# Altium PCB Bad-Fox Prototype.PcbDoc (part 4 of 6)
Units mm, origin at the board's own origin, x right, y up, seen from the top; angles counter-clockwise.
Board outline 285 x 218 mm, 4 copper layers (Top Layer, Layer 1, Layer 2, Bottom Layer), stack 1.583 mm thick; 201 components, 119 nets, 7816 pads, 1897 vias.
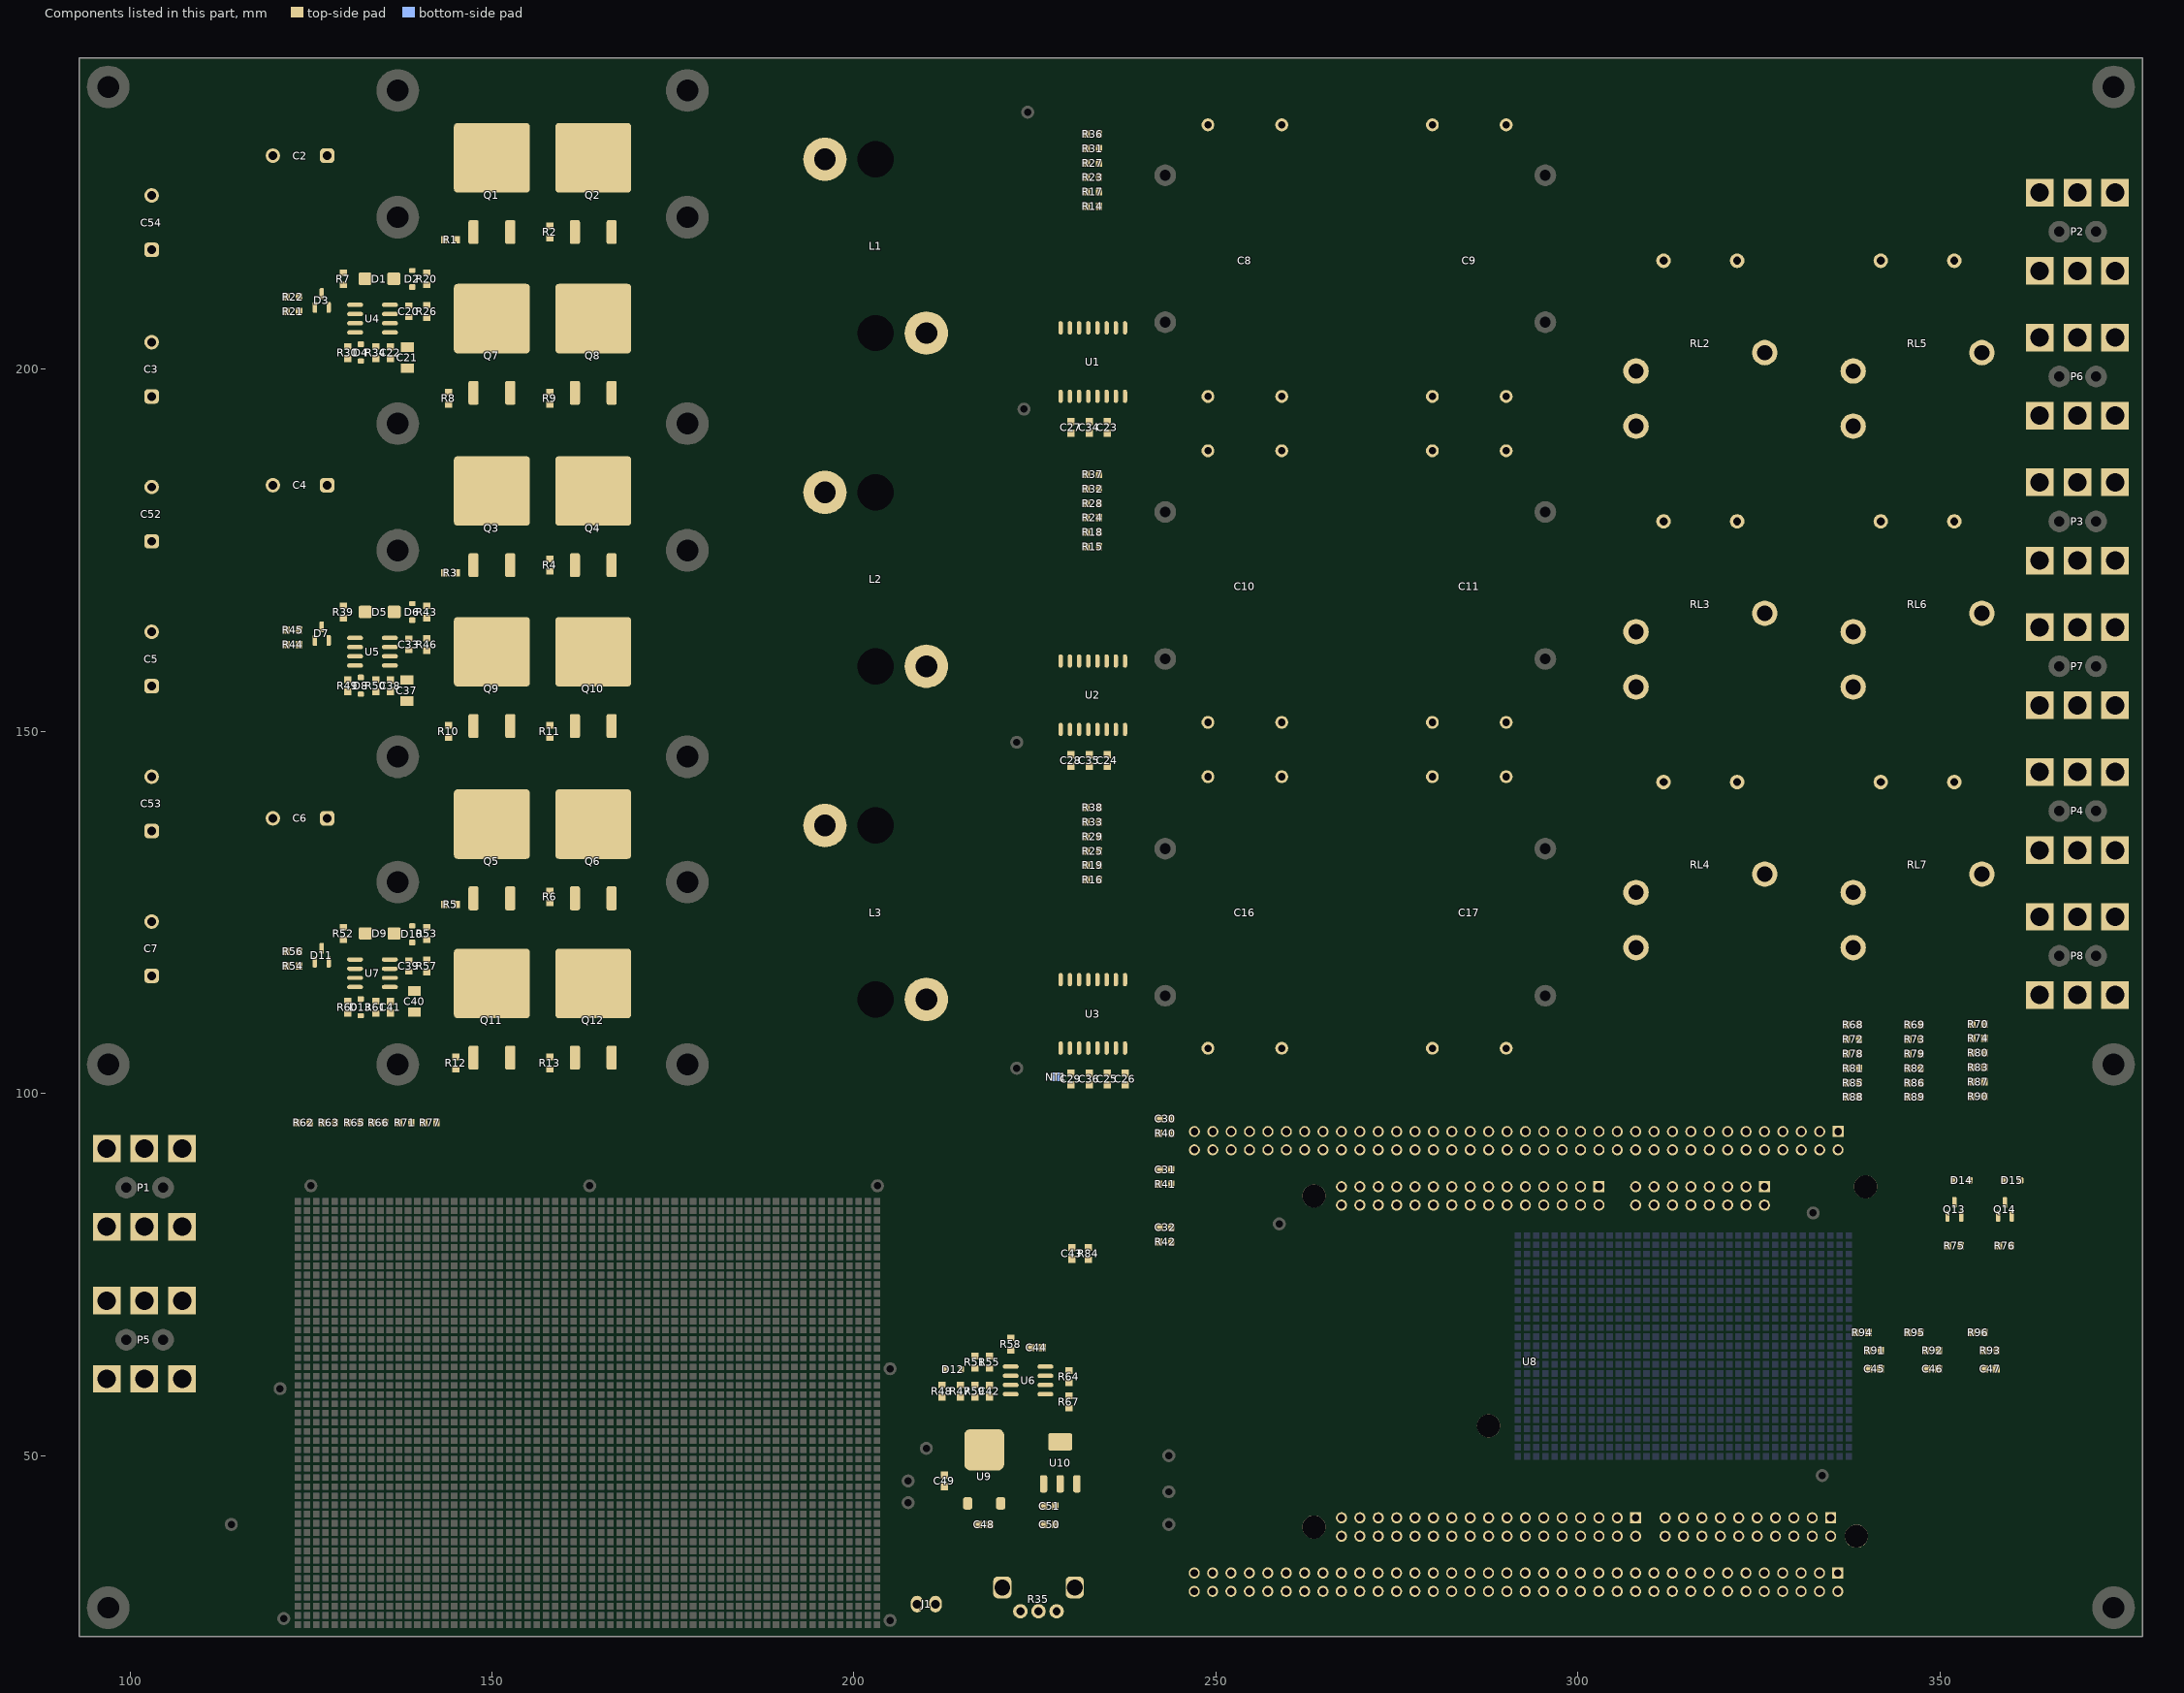
[diagram p6: the components of this part, seen from the top]

## Free pads (board coordinates) (continued)
  rect 0.9x0.9 smd far side paste-2: ""(123.19,26.67) ""(123.19,27.94) ""(123.19,29.21) ""(123.19,30.48) ""(123.19,31.75) ""(123.19,33.02) ""(123.19,34.29) ""(123.19,35.56) ""(123.19,36.83) ""(123.19,38.1) ""(123.19,39.37) ""(123.19,40.64) ""(123.19,41.91) ""(123.19,43.18) ""(123.19,44.45) ""(123.19,45.72) ""(123.19,46.99) ""(123.19,48.26) ""(123.19,49.53) ""(123.19,50.8) ""(123.19,52.07) ""(123.19,53.34) ""(123.19,54.61) ""(123.19,55.88) ""(123.19,57.15) ""(123.19,58.42) ""(123.19,59.69) ""(123.19,60.96) ""(123.19,62.23) ""(123.19,63.5) ""(123.19,64.77) ""(123.19,66.04) ""(123.19,67.31) ""(123.19,68.58) ""(123.19,69.85) ""(123.19,71.12) ""(123.19,72.39) ""(123.19,73.66) ""(123.19,74.93) ""(123.19,76.2) ""(123.19,77.47) ""(123.19,78.74) ""(123.19,80.01) ""(123.19,81.28) ""(123.19,82.55) ""(123.19,83.82) ""(123.19,85.09) ""(124.46,26.67) ""(124.46,27.94) ""(124.46,29.21) ""(124.46,30.48) ""(124.46,31.75) ""(124.46,33.02) ""(124.46,34.29) ""(124.46,35.56) ""(124.46,36.83) ""(124.46,38.1) ""(124.46,39.37) ""(124.46,40.64) ""(124.46,41.91) ""(124.46,43.18) ""(124.46,44.45) ""(124.46,45.72) ""(124.46,46.99) ""(124.46,48.26) ""(124.46,49.53) ""(124.46,50.8) ""(124.46,52.07) ""(124.46,53.34) ""(124.46,54.61) ""(124.46,55.88) ""(124.46,57.15) ""(124.46,58.42) ""(124.46,59.69) ""(124.46,60.96) ""(124.46,62.23) ""(124.46,63.5) ""(124.46,64.77) ""(124.46,66.04) ""(124.46,67.31) ""(124.46,68.58) ""(124.46,69.85) ""(124.46,71.12) ""(124.46,72.39) ""(124.46,73.66) ""(124.46,74.93) ""(124.46,76.2) ""(124.46,77.47) ""(124.46,78.74) ""(124.46,80.01) ""(124.46,81.28) ""(124.46,82.55) ""(124.46,83.82) ""(124.46,85.09) ""(125.73,26.67) ""(125.73,27.94) ""(125.73,29.21) ""(125.73,30.48) ""(125.73,31.75) ""(125.73,33.02) ""(125.73,34.29) ""(125.73,35.56) ""(125.73,36.83) ""(125.73,38.1) ""(125.73,39.37) ""(125.73,40.64) ""(125.73,41.91) ""(125.73,43.18) ""(125.73,44.45) ""(125.73,45.72) ""(125.73,46.99) ""(125.73,48.26) ""(125.73,49.53) ""(125.73,50.8) ""(125.73,52.07) ""(125.73,53.34) ""(125.73,54.61) ""(125.73,55.88) ""(125.73,57.15) ""(125.73,58.42) ""(125.73,59.69) ""(125.73,60.96) ""(125.73,62.23) ""(125.73,63.5) ""(125.73,64.77) ""(125.73,66.04) ""(125.73,67.31) ""(125.73,68.58) ""(125.73,69.85) ""(125.73,71.12) ""(125.73,72.39) ""(125.73,73.66) ""(125.73,74.93) ""(125.73,76.2) ""(125.73,77.47) ""(125.73,78.74) ""(125.73,80.01) ""(125.73,81.28) ""(125.73,82.55) ""(125.73,83.82) ""(125.73,85.09) ""(127,26.67) ""(127,27.94) ""(127,29.21) ""(127,30.48) ""(127,31.75) ""(127,33.02) ""(127,34.29) ""(127,35.56) ""(127,36.83) ""(127,38.1) ""(127,39.37) ""(127,40.64) ""(127,41.91) ""(127,43.18) ""(127,44.45) ""(127,45.72) ""(127,46.99) ""(127,48.26) ""(127,49.53) ""(127,50.8) ""(127,52.07) ""(127,53.34) ""(127,54.61) ""(127,55.88) ""(127,57.15) ""(127,58.42) ""(127,59.69) ""(127,60.96) ""(127,62.23) ""(127,63.5) ""(127,64.77) ""(127,66.04) ""(127,67.31) ""(127,68.58) ""(127,69.85) ""(127,71.12) ""(127,72.39) ""(127,73.66) ""(127,74.93) ""(127,76.2) ""(127,77.47) ""(127,78.74) ""(127,80.01) ""(127,81.28) ""(127,82.55) ""(127,83.82) ""(127,85.09) ""(128.27,26.67) ""(128.27,27.94) ""(128.27,29.21) ""(128.27,30.48) ""(128.27,31.75) ""(128.27,33.02) ""(128.27,34.29) ""(128.27,35.56) ""(128.27,36.83) ""(128.27,38.1) ""(128.27,39.37) ""(128.27,40.64) ""(128.27,41.91) ""(128.27,43.18) ""(128.27,44.45) ""(128.27,45.72) ""(128.27,46.99) ""(128.27,48.26) ""(128.27,49.53) ""(128.27,50.8) ""(128.27,52.07) ""(128.27,53.34) ""(128.27,54.61) ""(128.27,55.88) ""(128.27,57.15) ""(128.27,58.42) ""(128.27,59.69) ""(128.27,60.96) ""(128.27,62.23) ""(128.27,63.5) ""(128.27,64.77) ""(128.27,66.04) ""(128.27,67.31) ""(128.27,68.58) ""(128.27,69.85) ""(128.27,71.12) ""(128.27,72.39) ""(128.27,73.66) ""(128.27,74.93) ""(128.27,76.2) ""(128.27,77.47) ""(128.27,78.74) ""(128.27,80.01) ""(128.27,81.28) ""(128.27,82.55) ""(128.27,83.82) ""(128.27,85.09) ""(129.54,26.67) ""(129.54,27.94) ""(129.54,29.21) ""(129.54,30.48) ""(129.54,31.75) ""(129.54,33.02) ""(129.54,34.29) ""(129.54,35.56) ""(129.54,36.83) ""(129.54,38.1) ""(129.54,39.37) ""(129.54,40.64) ""(129.54,41.91) ""(129.54,43.18) ""(129.54,44.45) ""(129.54,45.72) ""(129.54,46.99) ""(129.54,48.26) ""(129.54,49.53) ""(129.54,50.8) ""(129.54,52.07) ""(129.54,53.34) ""(129.54,54.61) ""(129.54,55.88) ""(129.54,57.15) ""(129.54,58.42) ""(129.54,59.69) ""(129.54,60.96) ""(129.54,62.23) ""(129.54,63.5) ""(129.54,64.77) ""(129.54,66.04) ""(129.54,67.31) ""(129.54,68.58) ""(129.54,69.85) ""(129.54,71.12) ""(129.54,72.39) ""(129.54,73.66) ""(129.54,74.93) ""(129.54,76.2) ""(129.54,77.47) ""(129.54,78.74) ""(129.54,80.01) ""(129.54,81.28) ""(129.54,82.55) ""(129.54,83.82) ""(129.54,85.09) ""(130.81,26.67) ""(130.81,27.94) ""(130.81,29.21) ""(130.81,30.48) ""(130.81,31.75) ""(130.81,33.02) ""(130.81,34.29) ""(130.81,35.56) ""(130.81,36.83) ""(130.81,38.1) ""(130.81,39.37) ""(130.81,40.64) ""(130.81,41.91) ""(130.81,43.18) ""(130.81,44.45) ""(130.81,45.72) ""(130.81,46.99) ""(130.81,48.26) ""(130.81,49.53) ""(130.81,50.8) ""(130.81,52.07) ""(130.81,53.34) ""(130.81,54.61) ""(130.81,55.88) ""(130.81,57.15) ""(130.81,58.42) ""(130.81,59.69) ""(130.81,60.96) ""(130.81,62.23) ""(130.81,63.5) ""(130.81,64.77) ""(130.81,66.04) ""(130.81,67.31) ""(130.81,68.58) ""(130.81,69.85) ""(130.81,71.12) ""(130.81,72.39) ""(130.81,73.66) ""(130.81,74.93) ""(130.81,76.2) ""(130.81,77.47) ""(130.81,78.74) ""(130.81,80.01) ""(130.81,81.28) ""(130.81,82.55) ""(130.81,83.82) ""(130.81,85.09) ""(132.08,26.67) ""(132.08,27.94) ""(132.08,29.21) ""(132.08,30.48) ""(132.08,31.75) ""(132.08,33.02) ""(132.08,34.29) ""(132.08,35.56) ""(132.08,36.83) ""(132.08,38.1) ""(132.08,39.37) ""(132.08,40.64) ""(132.08,41.91) ""(132.08,43.18) ""(132.08,44.45) ""(132.08,45.72) ""(132.08,46.99) ""(132.08,48.26) ""(132.08,49.53) ""(132.08,50.8) ""(132.08,52.07) ""(132.08,53.34) ""(132.08,54.61) ""(132.08,55.88) ""(132.08,57.15) ""(132.08,58.42) ""(132.08,59.69) ""(132.08,60.96) ""(132.08,62.23) ""(132.08,63.5) ""(132.08,64.77) ""(132.08,66.04) ""(132.08,67.31) ""(132.08,68.58) ""(132.08,69.85) ""(132.08,71.12) ""(132.08,72.39) ""(132.08,73.66) ""(132.08,74.93) ""(132.08,76.2) ""(132.08,77.47) ""(132.08,78.74) ""(132.08,80.01) ""(132.08,81.28) ""(132.08,82.55) ""(132.08,83.82) ""(132.08,85.09) ""(133.35,26.67) ""(133.35,27.94) ""(133.35,29.21) ""(133.35,30.48) ""(133.35,31.75) ""(133.35,33.02) ""(133.35,34.29) ""(133.35,35.56) ""(133.35,36.83) ""(133.35,38.1) ""(133.35,39.37) ""(133.35,40.64) ""(133.35,41.91) ""(133.35,43.18) ""(133.35,44.45) ""(133.35,45.72) ""(133.35,46.99) ""(133.35,48.26) ""(133.35,49.53) ""(133.35,50.8) ""(133.35,52.07) ""(133.35,53.34) ""(133.35,54.61) ""(133.35,55.88) ""(133.35,57.15) ""(133.35,58.42) ""(133.35,59.69) ""(133.35,60.96) ""(133.35,62.23) ""(133.35,63.5) ""(133.35,64.77) ""(133.35,66.04) ""(133.35,67.31) ""(133.35,68.58) ""(133.35,69.85) ""(133.35,71.12) ""(133.35,72.39) ""(133.35,73.66) ""(133.35,74.93) ""(133.35,76.2) ""(133.35,77.47) ""(133.35,78.74) ""(133.35,80.01) ""(133.35,81.28) ""(133.35,82.55) ""(133.35,83.82) ""(133.35,85.09) ""(134.62,26.67) ""(134.62,27.94) ""(134.62,29.21) ""(134.62,30.48) ""(134.62,31.75) ""(134.62,33.02) ""(134.62,34.29) ""(134.62,35.56) ""(134.62,36.83) ""(134.62,38.1) ""(134.62,39.37) ""(134.62,40.64) ""(134.62,41.91) ""(134.62,43.18) ""(134.62,44.45) ""(134.62,45.72) ""(134.62,46.99) ""(134.62,48.26) ""(134.62,49.53) ""(134.62,50.8) ""(134.62,52.07) ""(134.62,53.34) ""(134.62,54.61) ""(134.62,55.88) ""(134.62,57.15) ""(134.62,58.42) ""(134.62,59.69) ""(134.62,60.96) ""(134.62,62.23) ""(134.62,63.5) ""(134.62,64.77) ""(134.62,66.04) ""(134.62,67.31) ""(134.62,68.58) ""(134.62,69.85) ""(134.62,71.12) ""(134.62,72.39) ""(134.62,73.66) ""(134.62,74.93) ""(134.62,76.2) ""(134.62,77.47) ""(134.62,78.74) ""(134.62,80.01) ""(134.62,81.28) ""(134.62,82.55) ""(134.62,83.82) ""(134.62,85.09) ""(135.89,26.67) ""(135.89,27.94) ""(135.89,29.21) ""(135.89,30.48) ""(135.89,31.75) ""(135.89,33.02) ""(135.89,34.29) ""(135.89,35.56) ""(135.89,36.83) ""(135.89,38.1) ""(135.89,39.37) ""(135.89,40.64) ""(135.89,41.91) ""(135.89,43.18) ""(135.89,44.45) ""(135.89,45.72) ""(135.89,46.99) ""(135.89,48.26) ""(135.89,49.53) ""(135.89,50.8) ""(135.89,52.07) ""(135.89,53.34) ""(135.89,54.61) ""(135.89,55.88) ""(135.89,57.15) ""(135.89,58.42) ""(135.89,59.69) ""(135.89,60.96) ""(135.89,62.23) ""(135.89,63.5) ""(135.89,64.77) ""(135.89,66.04) ""(135.89,67.31) ""(135.89,68.58) ""(135.89,69.85) ""(135.89,71.12) ""(135.89,72.39) ""(135.89,73.66) ""(135.89,74.93) ""(135.89,76.2) ""(135.89,77.47) ""(135.89,78.74) ""(135.89,80.01) ""(135.89,81.28) ""(135.89,82.55) ""(135.89,83.82) ""(135.89,85.09) ""(137.16,26.67) ""(137.16,27.94) ""(137.16,29.21) ""(137.16,30.48) ""(137.16,31.75) ""(137.16,33.02) ""(137.16,34.29) ""(137.16,35.56) ""(137.16,36.83) ""(137.16,38.1) ""(137.16,39.37) ""(137.16,40.64) ""(137.16,41.91) ""(137.16,43.18) ""(137.16,44.45) ""(137.16,45.72) ""(137.16,46.99) ""(137.16,48.26) ""(137.16,49.53) ""(137.16,50.8) ""(137.16,52.07) ""(137.16,53.34) ""(137.16,54.61) ""(137.16,55.88) ""(137.16,57.15) ""(137.16,58.42) ""(137.16,59.69) ""(137.16,60.96) ""(137.16,62.23) ""(137.16,63.5) ""(137.16,64.77) ""(137.16,66.04) ""(137.16,67.31) ""(137.16,68.58) ""(137.16,69.85) ""(137.16,71.12) ""(137.16,72.39) ""(137.16,73.66) ""(137.16,74.93) ""(137.16,76.2) ""(137.16,77.47) ""(137.16,78.74) ""(137.16,80.01) ""(137.16,81.28) ""(137.16,82.55) ""(137.16,83.82) ""(137.16,85.09) ""(138.43,26.67) ""(138.43,27.94) ""(138.43,29.21) ""(138.43,30.48) ""(138.43,31.75) ""(138.43,33.02) ""(138.43,34.29) ""(138.43,35.56) ""(138.43,36.83) ""(138.43,38.1) ""(138.43,39.37) ""(138.43,40.64) ""(138.43,41.91) ""(138.43,43.18) ""(138.43,44.45) ""(138.43,45.72) ""(138.43,46.99) ""(138.43,48.26) ""(138.43,49.53) ""(138.43,50.8) ""(138.43,52.07) ""(138.43,53.34) ""(138.43,54.61) ""(138.43,55.88) ""(138.43,57.15) ""(138.43,58.42) ""(138.43,59.69) ""(138.43,60.96) ""(138.43,62.23) ""(138.43,63.5) ""(138.43,64.77) ""(138.43,66.04) ""(138.43,67.31) ""(138.43,68.58) ""(138.43,69.85) ""(138.43,71.12) ""(138.43,72.39) ""(138.43,73.66) ""(138.43,74.93) ""(138.43,76.2) ""(138.43,77.47) ""(138.43,78.74) ""(138.43,80.01) ""(138.43,81.28) ""(138.43,82.55) ""(138.43,83.82) ""(138.43,85.09) ""(139.7,26.67) ""(139.7,27.94) ""(139.7,29.21) ""(139.7,30.48) ""(139.7,31.75) ""(139.7,33.02) ""(139.7,34.29) ""(139.7,35.56) ""(139.7,36.83) ""(139.7,38.1) ""(139.7,39.37) ""(139.7,40.64) ""(139.7,41.91) ""(139.7,43.18) ""(139.7,44.45) ""(139.7,45.72) ""(139.7,46.99) ""(139.7,48.26) ""(139.7,49.53) ""(139.7,50.8) ""(139.7,52.07) ""(139.7,53.34) ""(139.7,54.61) ""(139.7,55.88) ""(139.7,57.15) ""(139.7,58.42) ""(139.7,59.69) ""(139.7,60.96) ""(139.7,62.23) ""(139.7,63.5) ""(139.7,64.77) ""(139.7,66.04) ""(139.7,67.31) ""(139.7,68.58) ""(139.7,69.85) ""(139.7,71.12) ""(139.7,72.39) ""(139.7,73.66) ""(139.7,74.93) ""(139.7,76.2) ""(139.7,77.47) ""(139.7,78.74) ""(139.7,80.01) ""(139.7,81.28) ""(139.7,82.55) ""(139.7,83.82) ""(139.7,85.09) ""(140.97,26.67) ""(140.97,27.94) ""(140.97,29.21) ""(140.97,30.48) ""(140.97,31.75) ""(140.97,33.02) ""(140.97,34.29) ""(140.97,35.56) ""(140.97,36.83) ""(140.97,38.1) ""(140.97,39.37) ""(140.97,40.64) ""(140.97,41.91) ""(140.97,43.18) ""(140.97,44.45) ""(140.97,45.72) ""(140.97,46.99) ""(140.97,48.26) ""(140.97,49.53) ""(140.97,50.8) ""(140.97,52.07) ""(140.97,53.34) ""(140.97,54.61) ""(140.97,55.88) ""(140.97,57.15) ""(140.97,58.42) ""(140.97,59.69) ""(140.97,60.96) ""(140.97,62.23) ""(140.97,63.5) ""(140.97,64.77) ""(140.97,66.04) ""(140.97,67.31) ""(140.97,68.58) ""(140.97,69.85) ""(140.97,71.12) ""(140.97,72.39) ""(140.97,73.66) ""(140.97,74.93) ""(140.97,76.2) ""(140.97,77.47) ""(140.97,78.74) ""(140.97,80.01) ""(140.97,81.28) ""(140.97,82.55) ""(140.97,83.82) ""(140.97,85.09) ""(142.24,26.67) ""(142.24,27.94) ""(142.24,29.21) ""(142.24,30.48) ""(142.24,31.75) ""(142.24,33.02) ""(142.24,34.29) ""(142.24,35.56) ""(142.24,36.83) ""(142.24,38.1) ""(142.24,39.37) ""(142.24,40.64) ""(142.24,41.91) ""(142.24,43.18) ""(142.24,44.45) ""(142.24,45.72) ""(142.24,46.99) ""(142.24,48.26) ""(142.24,49.53) ""(142.24,50.8) ""(142.24,52.07) ""(142.24,53.34) ""(142.24,54.61) ""(142.24,55.88) ""(142.24,57.15) ""(142.24,58.42) ""(142.24,59.69) ""(142.24,60.96) ""(142.24,62.23) ""(142.24,63.5) ""(142.24,64.77) ""(142.24,66.04) ""(142.24,67.31) ""(142.24,68.58) ""(142.24,69.85) ""(142.24,71.12) ""(142.24,72.39) ""(142.24,73.66) ""(142.24,74.93) ""(142.24,76.2) ""(142.24,77.47) ""(142.24,78.74) ""(142.24,80.01) ""(142.24,81.28) ""(142.24,82.55) ""(142.24,83.82) ""(142.24,85.09) ""(143.51,26.67) ""(143.51,27.94) ""(143.51,29.21) ""(143.51,30.48) ""(143.51,31.75) ""(143.51,33.02) ""(143.51,34.29) ""(143.51,35.56) ""(143.51,36.83) ""(143.51,38.1) ""(143.51,39.37) ""(143.51,40.64) ""(143.51,41.91) ""(143.51,43.18) ""(143.51,44.45) ""(143.51,45.72) ""(143.51,46.99) ""(143.51,48.26) ""(143.51,49.53) ""(143.51,50.8) ""(143.51,52.07) ""(143.51,53.34) ""(143.51,54.61) ""(143.51,55.88) ""(143.51,57.15) ""(143.51,58.42) ""(143.51,59.69) ""(143.51,60.96) ""(143.51,62.23) ""(143.51,63.5) ""(143.51,64.77) ""(143.51,66.04) ""(143.51,67.31) ""(143.51,68.58) ""(143.51,69.85) ""(143.51,71.12) ""(143.51,72.39) ""(143.51,73.66) ""(143.51,74.93) ""(143.51,76.2) ""(143.51,77.47) ""(143.51,78.74) ""(143.51,80.01) ""(143.51,81.28) ""(143.51,82.55) ""(143.51,83.82) ""(143.51,85.09) ""(144.78,26.67) ""(144.78,27.94) ""(144.78,29.21) ""(144.78,30.48) ""(144.78,31.75) ""(144.78,33.02) ""(144.78,34.29) ""(144.78,35.56) ""(144.78,36.83) ""(144.78,38.1) ""(144.78,39.37) ""(144.78,40.64) ""(144.78,41.91) ""(144.78,43.18) ""(144.78,44.45) ""(144.78,45.72) ""(144.78,46.99) ""(144.78,48.26) ""(144.78,49.53) ""(144.78,50.8) ""(144.78,52.07) ""(144.78,53.34) ""(144.78,54.61) ""(144.78,55.88) ""(144.78,57.15) ""(144.78,58.42) ""(144.78,59.69) ""(144.78,60.96) ""(144.78,62.23) ""(144.78,63.5) ""(144.78,64.77) ""(144.78,66.04) ""(144.78,67.31) ""(144.78,68.58) ""(144.78,69.85) ""(144.78,71.12) ""(144.78,72.39) ""(144.78,73.66) ""(144.78,74.93) ""(144.78,76.2) ""(144.78,77.47) ""(144.78,78.74) ""(144.78,80.01) ""(144.78,81.28) ""(144.78,82.55) ""(144.78,83.82) ""(144.78,85.09) ""(146.05,26.67) ""(146.05,27.94) ""(146.05,29.21) ""(146.05,30.48) ""(146.05,31.75) ""(146.05,33.02) ""(146.05,34.29) ""(146.05,35.56) ""(146.05,36.83) ""(146.05,38.1) ""(146.05,39.37) ""(146.05,40.64) ""(146.05,41.91) ""(146.05,43.18) ""(146.05,44.45) ""(146.05,45.72) ""(146.05,46.99) ""(146.05,48.26) ""(146.05,49.53) ""(146.05,50.8) ""(146.05,52.07) ""(146.05,53.34) ""(146.05,54.61) ""(146.05,55.88) ""(146.05,57.15) ""(146.05,58.42) ""(146.05,59.69) ""(146.05,60.96) ""(146.05,62.23) ""(146.05,63.5) ""(146.05,64.77) ""(146.05,66.04) ""(146.05,67.31) ""(146.05,68.58) ""(146.05,69.85) ""(146.05,71.12) ""(146.05,72.39) ""(146.05,73.66) ""(146.05,74.93) ""(146.05,76.2) ""(146.05,77.47) ""(146.05,78.74) ""(146.05,80.01) ""(146.05,81.28) ""(146.05,82.55) ""(146.05,83.82) ""(146.05,85.09) ""(147.32,26.67) ""(147.32,27.94) ""(147.32,29.21) ""(147.32,30.48) ""(147.32,31.75) ""(147.32,33.02) ""(147.32,34.29) ""(147.32,35.56) ""(147.32,36.83) ""(147.32,38.1) ""(147.32,39.37) ""(147.32,40.64) ""(147.32,41.91) ""(147.32,43.18) ""(147.32,44.45) ""(147.32,45.72) ""(147.32,46.99) ""(147.32,48.26) ""(147.32,49.53) ""(147.32,50.8) ""(147.32,52.07) ""(147.32,53.34) ""(147.32,54.61) ""(147.32,55.88) ""(147.32,57.15) ""(147.32,58.42) ""(147.32,59.69) ""(147.32,60.96) ""(147.32,62.23) ""(147.32,63.5) ""(147.32,64.77) ""(147.32,66.04) ""(147.32,67.31) ""(147.32,68.58) ""(147.32,69.85) ""(147.32,71.12) ""(147.32,72.39) ""(147.32,73.66) ""(147.32,74.93) ""(147.32,76.2) ""(147.32,77.47) ""(147.32,78.74) ""(147.32,80.01) ""(147.32,81.28) ""(147.32,82.55) ""(147.32,83.82) ""(147.32,85.09) ""(148.59,26.67) ""(148.59,27.94) ""(148.59,29.21) ""(148.59,30.48) ""(148.59,31.75) ""(148.59,33.02) ""(148.59,34.29) ""(148.59,35.56) ""(148.59,36.83) ""(148.59,38.1) ""(148.59,39.37) ""(148.59,40.64) ""(148.59,41.91) ""(148.59,43.18) ""(148.59,44.45) ""(148.59,45.72) ""(148.59,46.99) ""(148.59,48.26) ""(148.59,49.53) ""(148.59,50.8) ""(148.59,52.07) ""(148.59,53.34) ""(148.59,54.61) ""(148.59,55.88) ""(148.59,57.15) ""(148.59,58.42) ""(148.59,59.69) ""(148.59,60.96) ""(148.59,62.23) ""(148.59,63.5) ""(148.59,64.77) ""(148.59,66.04) ""(148.59,67.31) ""(148.59,68.58) ""(148.59,69.85) ""(148.59,71.12) ""(148.59,72.39) ""(148.59,73.66) ""(148.59,74.93) ""(148.59,76.2) ""(148.59,77.47) ""(148.59,78.74) ""(148.59,80.01) ""(148.59,81.28) ""(148.59,82.55) ""(148.59,83.82) ""(148.59,85.09) ""(149.86,26.67) ""(149.86,27.94) ""(149.86,29.21) ""(149.86,30.48) ""(149.86,31.75) ""(149.86,33.02) ""(149.86,34.29) ""(149.86,35.56) ""(149.86,36.83) ""(149.86,38.1) ""(149.86,39.37) ""(149.86,40.64) ""(149.86,41.91) ""(149.86,43.18) ""(149.86,44.45) ""(149.86,45.72) ""(149.86,46.99) ""(149.86,48.26) ""(149.86,49.53) ""(149.86,50.8) ""(149.86,52.07) ""(149.86,53.34) ""(149.86,54.61) ""(149.86,55.88) ""(149.86,57.15) ""(149.86,58.42) ""(149.86,59.69) ""(149.86,60.96) ""(149.86,62.23) ""(149.86,63.5) ""(149.86,64.77) ""(149.86,66.04) ""(149.86,67.31) ""(149.86,68.58) ""(149.86,69.85) ""(149.86,71.12) ""(149.86,72.39) ""(149.86,73.66) ""(149.86,74.93) ""(149.86,76.2) ""(149.86,77.47) ""(149.86,78.74) ""(149.86,80.01) ""(149.86,81.28) ""(149.86,82.55) ""(149.86,83.82) ""(149.86,85.09) ""(151.13,26.67) ""(151.13,27.94) ""(151.13,29.21) ""(151.13,30.48) ""(151.13,31.75) ""(151.13,33.02) ""(151.13,34.29) ""(151.13,35.56) ""(151.13,36.83) ""(151.13,38.1) ""(151.13,39.37) ""(151.13,40.64) ""(151.13,41.91) ""(151.13,43.18) ""(151.13,44.45) ""(151.13,45.72) ""(151.13,46.99) ""(151.13,48.26) ""(151.13,49.53) ""(151.13,50.8) ""(151.13,52.07) ""(151.13,53.34) ""(151.13,54.61) ""(151.13,55.88) ""(151.13,57.15) ""(151.13,58.42) ""(151.13,59.69) ""(151.13,60.96) ""(151.13,62.23) ""(151.13,63.5) ""(151.13,64.77) ""(151.13,66.04) ""(151.13,67.31) ""(151.13,68.58) ""(151.13,69.85) ""(151.13,71.12) ""(151.13,72.39) ""(151.13,73.66) ""(151.13,74.93) ""(151.13,76.2) ""(151.13,77.47) ""(151.13,78.74) ""(151.13,80.01) ""(151.13,81.28) ""(151.13,82.55) ""(151.13,83.82) ""(151.13,85.09) ""(152.4,26.67) ""(152.4,27.94) ""(152.4,29.21) ""(152.4,30.48) ""(152.4,31.75) ""(152.4,33.02) ""(152.4,34.29) ""(152.4,35.56) ""(152.4,36.83) ""(152.4,38.1) ""(152.4,39.37) ""(152.4,40.64) ""(152.4,41.91) ""(152.4,43.18) ""(152.4,44.45) ""(152.4,45.72) ""(152.4,46.99) ""(152.4,48.26) ""(152.4,49.53) ""(152.4,50.8) ""(152.4,52.07) ""(152.4,53.34) ""(152.4,54.61) ""(152.4,55.88) ""(152.4,57.15) ""(152.4,58.42) ""(152.4,59.69) ""(152.4,60.96) ""(152.4,62.23) ""(152.4,63.5) ""(152.4,64.77) ""(152.4,66.04) ""(152.4,67.31) ""(152.4,68.58) ""(152.4,69.85) ""(152.4,71.12) ""(152.4,72.39) ""(152.4,73.66) ""(152.4,74.93) ""(152.4,76.2) ""(152.4,77.47) ""(152.4,78.74) ""(152.4,80.01) ""(152.4,81.28) ""(152.4,82.55) ""(152.4,83.82) ""(152.4,85.09) ""(153.67,26.67) ""(153.67,27.94) ""(153.67,29.21) ""(153.67,30.48) ""(153.67,31.75) ""(153.67,33.02) ""(153.67,34.29) ""(153.67,35.56) ""(153.67,36.83) ""(153.67,38.1) ""(153.67,39.37) ""(153.67,40.64) ""(153.67,41.91) ""(153.67,43.18) ""(153.67,44.45) ""(153.67,45.72) ""(153.67,46.99) ""(153.67,48.26) ""(153.67,49.53) ""(153.67,50.8) ""(153.67,52.07) ""(153.67,53.34) ""(153.67,54.61) ""(153.67,55.88) ""(153.67,57.15) ""(153.67,58.42) ""(153.67,59.69) ""(153.67,60.96) ""(153.67,62.23) ""(153.67,63.5) ""(153.67,64.77) ""(153.67,66.04) ""(153.67,67.31) ""(153.67,68.58) ""(153.67,69.85) ""(153.67,71.12) ""(153.67,72.39) ""(153.67,73.66) ""(153.67,74.93) ""(153.67,76.2) ""(153.67,77.47) ""(153.67,78.74) ""(153.67,80.01) ""(153.67,81.28) ""(153.67,82.55) ""(153.67,83.82) ""(153.67,85.09) ""(154.94,26.67) ""(154.94,27.94) ""(154.94,29.21) ""(154.94,30.48) ""(154.94,31.75) ""(154.94,33.02) ""(154.94,34.29) ""(154.94,35.56) ""(154.94,36.83) ""(154.94,38.1) ""(154.94,39.37) ""(154.94,40.64) ""(154.94,41.91) ""(154.94,43.18) ""(154.94,44.45) ""(154.94,45.72) ""(154.94,46.99) ""(154.94,48.26) ""(154.94,49.53) ""(154.94,50.8) 